# Altium PCB ASCII_LimeSDR-USB_1v4.PcbDoc (part 10 of 10)
Units mm, origin at the board's own origin, x right, y up, seen from the top; angles counter-clockwise.
Board outline 100 x 60 mm, 12 copper layers (Top, L2, L3, L4, L5, L6, L7, L8, L9, L10, L11, Bottom), stack 1.58 mm thick; 858 components, 627 nets, 4063 pads, 2099 vias.
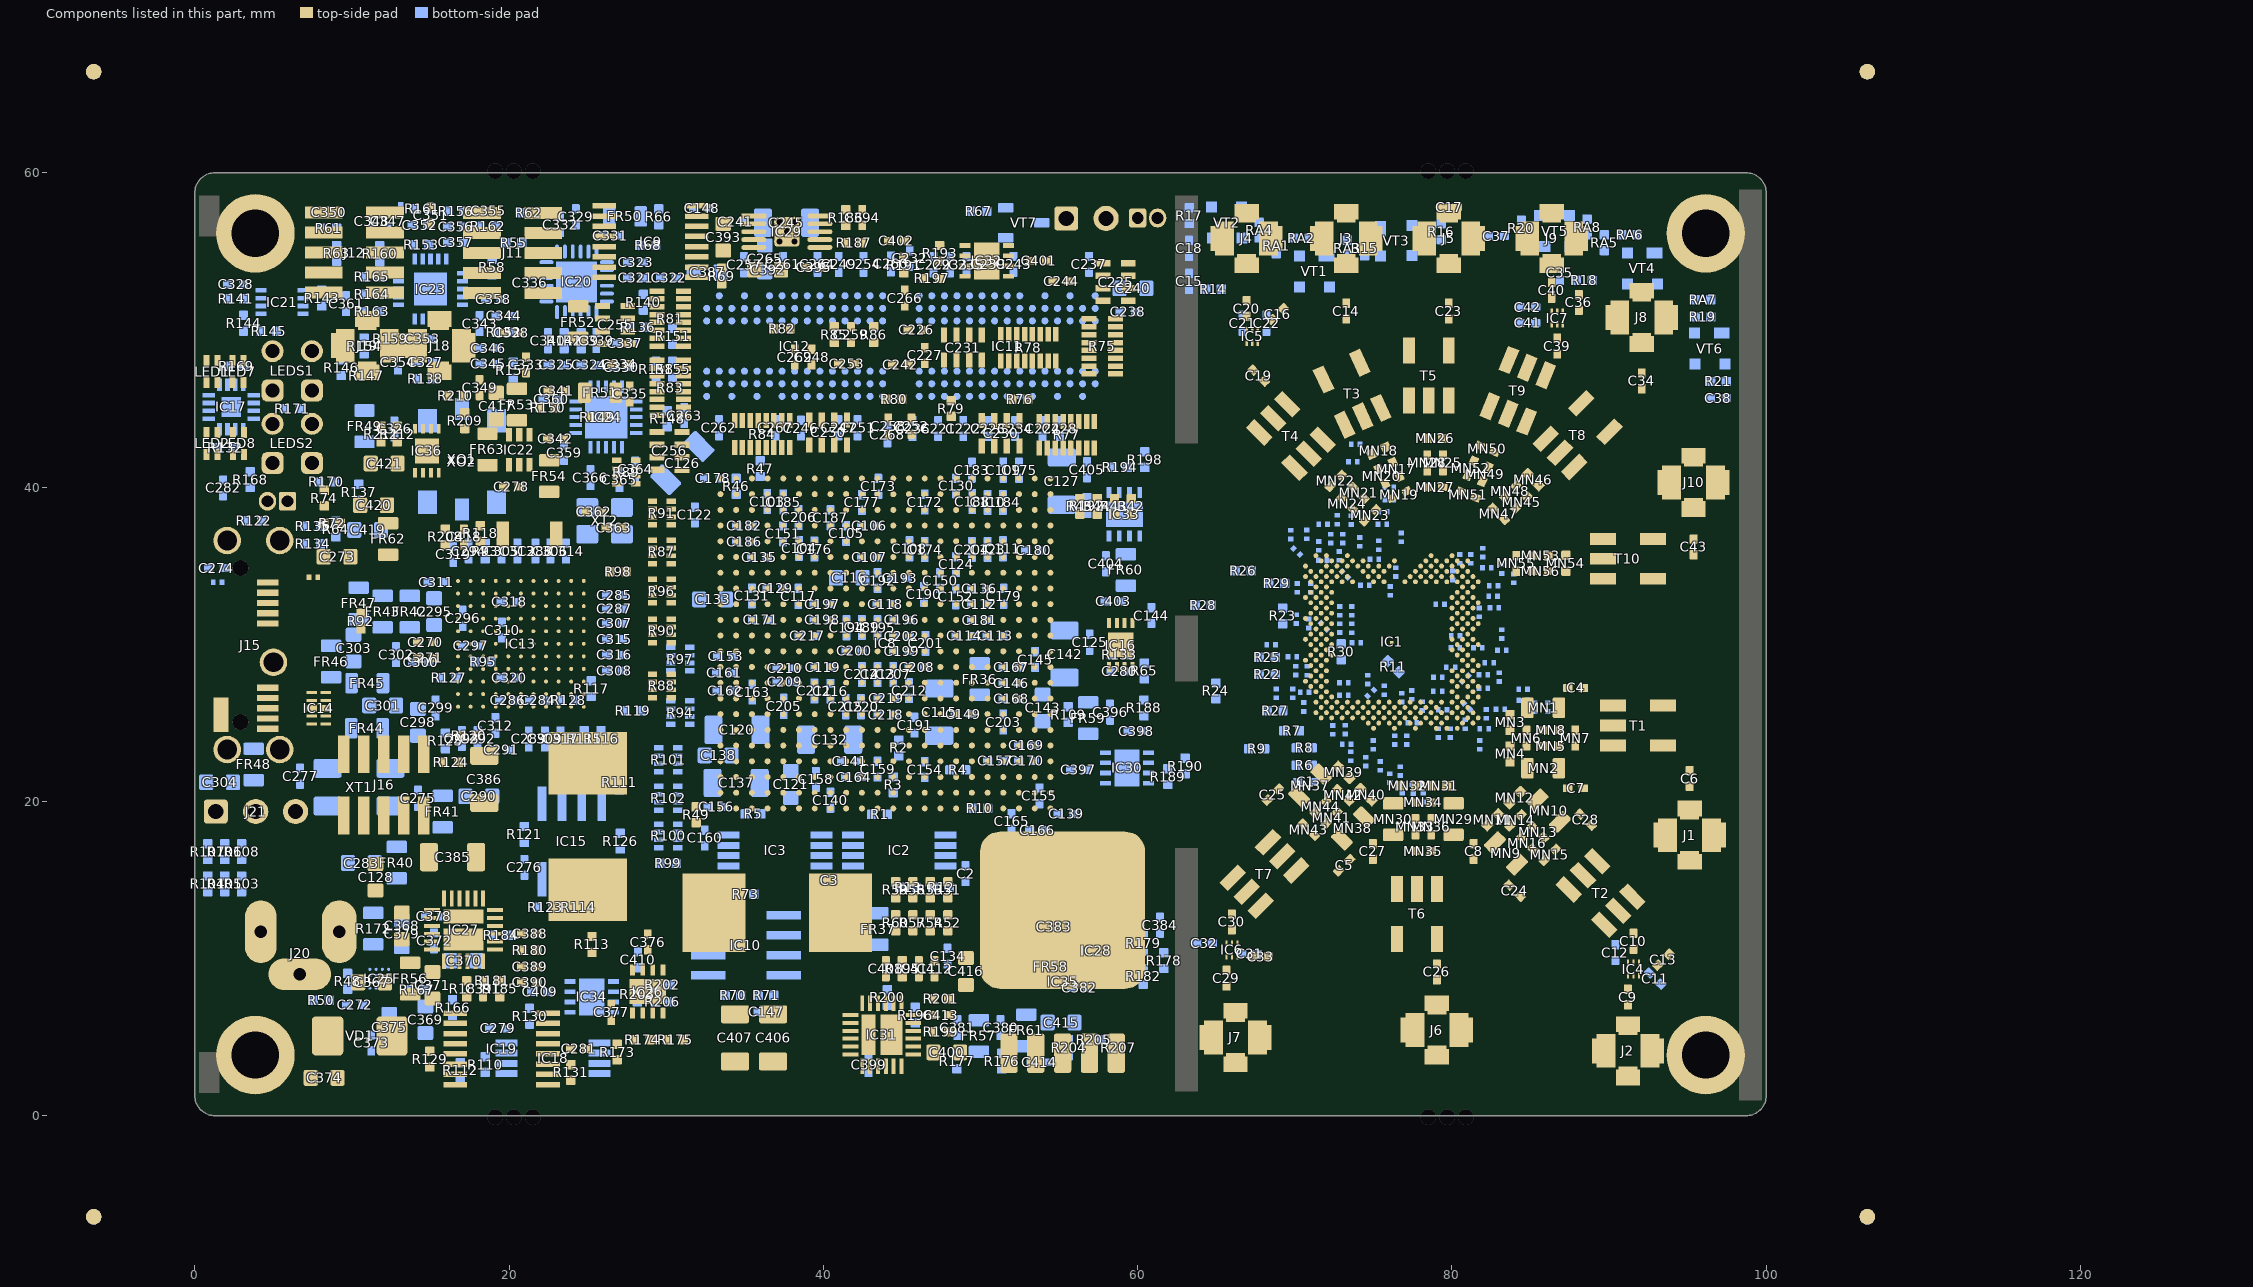
[diagram p18: the components of this part, seen from the top]

## Silkscreen, mask and mechanical layers (free items; w line width, h text height) (continued)
Mechanical1:
  drawing of 2384 lines, arcs and shapes, not listed
  text "LimeSDR-USB v1.4" at 163.068,99.347 h2.6
  text "CONTROLLED IMPEDANCE" at 153.025,94.325 h3
  text "GENERAL PARAMETERS:" at 129.975,88.625 h1.5
  text "Board Cutout" at 41.525,78.4 h1.5
  text "Top layer copper foil thickness: 17.5 um / Dielectric thickness from Top to L2 = 173um (6.8 mils) / Dielectric between Top layer and 2nd layer relative permittivity (Er): 4.2 /  / Bottom layer copper foil thickness: 17.5 um / Dielectric thickness from L11 to Bottom = 173um (6.8 mils) / Dielectric between L11 layer and Bottom layer relative permittivity (Er): 4.2 / Ground plane distance to trace on Bottom layer: 0.1mm" at 134.425,61.9 h1.5
  text "CALCULATIONS:" at 130.1,60.65 h1.5
  text "RF (Top)" at 114.25,43.2 h2
  text "50 Ohm microstrip (Top layer, no GND) characteristics: /  Top layer copper foil thickness: 17.5 um /  Track width = 0.325 mm (12.795 mils) /  Dielectric thickness from Top to L2 = 173um (6.8 mils) /  Dielectric between Top layer and 2nd layer relative permittivity (Er): 4.2 /          /  Approximate microstrip line impedance = 49.99 Ohms (+/- 10% tolerance)" at 133.6,34.5 h1.5
  text "RF (Top)" at 113.25,16.7 h2
  text "Vendor Logo (bottom)" at 52.325,15.325 h0.7
  text "100 Ohm coupled microstrip line (Top layer) characteristics: /  Top layer copper foil thickness: 17.5 um /  Track width = 0.2 mm (6.8 mils) /  Track spacing = 0.14 mm (5.51 mils) /  Track width/spacing ratio = 1.428 /  Dielectric thickness from top to L2 = 173um (6.8 mils) /  Dielectric between Top layer and 2nd layer relative permittivity (Er): 4.2 /          /  Approximate coupled microstrip line impedance = 100.752 Ohms (+/- 10% tolerance)" at 134.25,5.775 h1.5
  text "RoHS and PCB number (bottom)" at 28.475,3.45 h0.7
  text "RF (Bottom)" at 111.325,-7.425 h2
  text "TH via" at 34.75,-12.275 h1.52
  text "GERBER LAYER NAMES:" at -91.65,-13.675 h1.52
  text "STACKUP:" at -38.6,-14 h3
  text "Top-Bot" at 34.2,-15.35 h1.52
  text "GTP" at -90.55,-17.475 h1.52
  text "Top solder paste" at -85.45,-17.575 h1
  text "GTO" at -90.55,-20.475 h1.52
  text "Silkscreen" at -85.55,-20.775 h1
  text "50 Ohm coplanar waveguide with GND (Bottom layer) characteristics: /  Bottom layer copper foil thickness: 17.5 um /  Track width = 0.254 mm (10 mils) /  Distance to GND: 0.1 mm (3.937 mils) /  Dielectric thickness from Bottom to L11 = 173um (6.8 mils) /  Dielectric between Bottom layer and L11 relative permittivity (Er): 4.2 /          /  Approximate microstrip line impedance = 49.99 Ohms (+/- 10% tolerance)" at 134.4,-21.325 h1.5
  text "ELECTRICAL LAYERS:" at 48.75,-21.775 h1.52
  text "GTS" at -90.55,-22.975 h1.52
  text "Soldermask (halogen free)" at -85.55,-24.275 h1
  text "Top: RF/GND" at 49.425,-25.25 h1.52
  text "GTL" at -90.55,-25.475 h1.52
  text "0.5oz+plating" at -85.55,-25.975 h1
  text "6.8mil" at -59.9,-28.15 h1
  text "PP" at -63.25,-28.275 h1
  text "G1" at -90.55,-29.975 h1.52
  text "0.1oz" at -85.55,-30.175 h1
  text "L2: GND" at 49.45,-30.275 h1.52
  text "CORE" at -63.25,-32.775 h1
  text "USB3.0 (Top)" at 110.5,-32.975 h2
  text "G2" at -90.55,-34.475 h1.52
  text "0.1oz" at -85.55,-34.675 h1
  text "L3: PWR/Signal/GND" at 49.45,-34.775 h1.52
  text "PP" at -63.25,-37.275 h1
  text "G3" at -90.55,-38.975 h1.52
  text "0.1oz" at -85.55,-39.175 h1
  text "L4: Signal/PWR/GND" at 49.45,-39.275 h1.52
  text "CORE" at -63.25,-41.775 h1
  text "G4" at -90.55,-43.475 h1.52
  text "0.1oz" at -85.55,-43.675 h1
  text "L5: PWR/GND" at 49.55,-43.775 h1.52
  text "PP" at -63.25,-46.275 h1
  text "90 Ohm coupled microstrip line (Top layer, without GND) characteristics: /  Top layer copper foil thickness: 17.5 um /  Track width = 0.2 mm (6.8 mils) /  Track spacing = 0.1 mm (3.93 mils) /  Track width/spacing ratio = 2 /  Dielectric thickness from Top to 2nd layer = 173um (6.8 mils) /  Dielectric between Top layer and 2nd layer relative permittivity (Er): 4.2 /          /  Approximate coupled microstrip line impedance = 90.5 Ohms (+/- 10% tolerance)" at 133.575,-46.875 h1.5
  text "G5" at -90.55,-47.975 h1.52
  text "L6: Signal/GND" at 49.45,-48.125 h1.52
  text "0.1oz" at -85.55,-48.175 h1
  text "CORE" at -63.25,-50.775 h1
  text "G6" at -90.55,-52.475 h1.52
  text "L7: GND" at 49.55,-52.625 h1.52
  text "0.1oz" at -85.55,-52.675 h1
  text "VERY IMPORTANT NOTES:" at 135.875,-54.75 h3
  text "PP" at -63.25,-55.275 h1
  text "G7" at -90.55,-56.975 h1.52
  text "L8: Signal" at 49.375,-57.1 h1.52
  text "0.1oz" at -85.55,-57.175 h1
  text "CORE" at -63.25,-59.775 h1
  text "G8" at -90.55,-61.475 h1.52
  text "0.1oz" at -85.55,-61.675 h1
  text "L9: Signal" at 49.475,-61.675 h1.52
  text "PP" at -63.25,-64.275 h1
  text "G9" at -90.55,-65.975 h1.52
  text "0.1oz" at -85.55,-66.175 h1
  text "L10: CLK/Signal" at 49.55,-66.325 h1.52
  text "CORE" at -63.25,-68.775 h1
  text "G10" at -90.55,-70.475 h1.52
  text "0.1oz" at -85.55,-70.675 h1
  text "L11: GND" at 49.5,-71 h1.52
  text "6.8mil" at -59.725,-73.225 h1
  text "PP" at -63.25,-73.275 h1
  text "GBL" at -90.55,-74.975 h1.52
  text "Bottom: Signal/PWR/GND" at 49.5,-75 h1.52
  text "0.5oz+plating" at -85.55,-75.475 h1
  text "GBS" at -90.55,-77.475 h1.52
  text "Soldermask (halogen free)" at -85.55,-78.675 h1
  text "ADDITIONAL LAYERS:" at 51.75,-79.275 h1.52
  text "GBO" at -90.55,-79.975 h1.52
  text "Silkscreen" at -85.55,-80.175 h1
  text "GBP" at -90.55,-82.975 h1.52
  text "Bottom solder paste" at -85.55,-83.175 h1
  text "Mechanical 1: Board cutout" at 54.45,-83.475 h1.52
  text "Via type #1" at -8.5,-85.975 h1.52
  text "ASM TOP: Assembly top" at 54.45,-86.475 h1.52
  text "0.2mm drill / 0.4mm ring" at 32.75,-88.275 h1.2
  text "ASM BOT: Assembly bottom" at 54.45,-89.475 h1.52
  text "Total PCB thicknes: 1.6mm +/- 10%" at -66.925,-89.65 h1.52
  text "Mechanical 13: Component 3D body" at 54.45,-92.475 h1.52
  text "0.2mm drill / 0.31mm ring" at 32.75,-94.275 h1.2
  text "Via type #2 (In pad, resin filled with metal cap)" at -9,-94.65 h1.52
  text "1) 0.31mm ring and 0.2mm drill via-in-pads (IC1) must be resin filled with metal cap / 2) Solder mask : DARK BLUE, both sides, halogen free, glossy finish (NOT matte) / 3) Silkscreen : white epoxy ink, halogen free, both sides. No silkscreen on pads. / 4) DRCs must be run on Gerber files before building boards / 5) Hole diameters are final manufactured diameters INCLUDING HOLE METALIZATION. / 6) Minimum track spacing: 0.1 mm /    Minimum track width: 0.1 mm / 7) There are plated and non-plated holes on the PCB / 8) Material: /    IT-180A /    PCB vendor to silkscreen UL and RoHS compliance marks, vendor logo and date code on bottom where shown /    Copper weight:  External layers 0.5 oz+plating /                    Internal layers 1 oz / 9) Electrical test : 100 % netlist. / 10) Boards are to be individually bagged." at 109.2,-98.575 h1.5
ASM BOT:
  drawing of 903 lines, arcs and shapes, not listed
  text "IC20" at 25.275,66.575 h1
  text "IC23" at 16.5,66.1 h1
  text "Assembly bottom" at 55.725,60.8 h1.25
  text "or" at 17.975,43.375 h0.55
  text "C120" at -22.3,1.75 h1
ASM TOP:
  circle w0.4: c7.325,26.925 r0.025
  circle w0.4: c-17.6,53 r0.19
  circle w0.4: c-17.6,54.225 r0.19
  lines w0.1: -18.05,51.5 -17.625,51.925 ; -17.625,48.025 -17.625,51.925 ; -17.2,51.5 -17.625,51.925 ; 8.975,7.25 12.625,7.25 13.7,8.325 13.7,8.725 ; 14.775,45.3 16.275,45.575 ; 17.425,40.825 17.8,42.008 18.7,42.475 ; 18.125,46.325 18.35,47.725 ; 18.85,50.475 18.85,45.475 19.175,45.15 ; 20.15,49.825 21.15,50.6 ; 21.075,47.775 21.7,48.05 ; 22.45,45.05 23.5,44.5 ; 22.95,43.075 24.15,42.725 ; 23,46.125 23.5,46.825 ; 25.625,44.45 26.025,43.975 ; 25.975,48 27.025,47.825 ; 44.3,53.65 44.65,53.65 45.125,54.125 ; 46.9,53.275 47.475,52.575 ; -18.2,52.575 -17.875,52.25 -17.325,52.25 -17,52.575 -17,54.8 -18.2,54.8 -18.2,52.575
  lines w0.15: -11.9,42.4 -0.05,42.4 ; -11.8,43.025 -0.075,47.525 ; -5.95,38.825 3.95,38.825 ; -1.6,40.075 1.125,41.425 ; 1.4,48.65 1.5,50.05 ; 1.55,23.575 -10.1,31.775 1.625,36.275 ; 2.375,40.15 2.775,41.4 ; 2.725,48.7 2.825,49.925 ; 5.05,48.15 6.125,50.05 7.575,48.25 ; 5.775,42.15 8.825,42.55 7.375,42.725 ; 14.275,1.775 14.95,3.6 ; 15.125,8.3 15.125,9.925 ; 17.8,35.475 18.175,37.05 ; 40.675,58.35 41.425,57.15 ; 41.925,55.55 42.25,55.025 ; 42.275,58.5 42.475,57.15 ; 43.125,50.875 43.2,49.7 ; 43.35,45.725 44.5,45.6 ; 43.85,8.125 43.225,8.125 43.225,16 43.775,16 49.175,16 49.175,11.075 48.125,11.075 48.125,8.2 47.8,8.2 ; 44.575,51.9 45.175,52.025 ; 45.9,50 46.525,50.625 ; 46.125,16 46.125,18.675 ; 46.45,48.375 46.7,47.2 ; 49.2,9.35 50.3,9.35 ; 89.025,27.9 93.775,29.6 ; 43.375,18.675 48.8,18.675 48.8,26.625 44.95,26.625 43.375,26.625 43.375,18.675
  lines w0.3: 1.275,60 ccw(c1.275,58.73) 0.005,58.73 0.005,1.27 ccw(c1.275,1.27) 1.275,0 98.735,0 ccw(c98.735,1.27) 100.005,1.27 100.005,58.73 ccw(c98.735,58.73) 98.735,60
  lines w0.309: 1.275,60 98.735,60
  text "Assembly top" at 41.175,61.1 h1.25
  text "ASSEMBLY NOTE: / Orientation for throughole LEDs (LED1, LED2, LED7, LED8). / More info in part datasheet" at -24.25,55.2 h0.55
  text "Green Anode" at -24.55,53.95 h0.55
  text "Green Cathode" at -25.925,52.725 h0.55
  text "ASSEMBLY NOTE: / LEDS1 and LEDS2 - for both parts mount throughole LEDs (LED1, LED2, LED7, LED8) in plastic LED holder (LEDS1 and LEDS2). Two LEDs in one holder" at -25.875,40.525 h0.55
  text "ASSEMBLY NOTE: / J17 jumper must be shorted out" at -14.2,36.8 h0.55
  text "ASSEMBLY NOTE: / J15 mechanical mechanical holes must be soldered for mechanical durability." at -25.5,30.675 h0.55
DrillDrawing:
  circle w0.2: c-85.865,105.531 r0.556
  circle w0.2: c-85.865,93.031 r0.333
  circle w0.2: c-85.865,93.031 r0.556
  lines w0.2: -86.42,91.086 -85.309,91.086 -85.865,89.975 -86.42,91.086 ; -86.42,94.975 -85.865,95.253 -85.309,94.975 -85.587,95.531 -85.309,96.086 -85.865,95.808 -86.42,96.086 -86.143,95.531 -86.42,94.975 ; -86.42,97.475 -85.865,97.753 -85.309,97.475 -85.587,98.031 -85.309,98.586 -85.865,98.308 -86.42,98.586 -86.143,98.031 -86.42,97.475 ; -86.42,100.531 -85.865,99.975 -85.309,100.531 -85.865,101.086 -86.42,100.531 ; -86.42,102.475 -85.309,102.475 -85.309,103.586 -86.42,103.586 -86.42,102.475 ; -86.42,107.753 -86.143,107.753 -85.865,107.475 -85.587,107.753 -85.309,107.753 -85.587,108.031 -85.309,108.308 -85.587,108.308 -85.865,108.586 -86.143,108.308 -86.42,108.308 -86.143,108.031 -86.42,107.753 ; -86.198,95.197 -85.865,95.364 -85.531,95.197 -85.698,95.531 -85.531,95.864 -85.865,95.697 -86.198,95.864 -86.031,95.531 -86.198,95.197 ; -86.198,107.864 -86.031,107.864 -85.865,107.697 -85.698,107.864 -85.531,107.864 -85.698,108.031 -85.531,108.197 -85.698,108.197 -85.865,108.364 -86.031,108.197 -86.198,108.197 -86.031,108.031 -86.198,107.864
  lines w0.381: -87.427,86.725 127.253,86.725 ; -87.427,109.225 127.253,109.225 ; -78.139,84.225 -78.139,111.725 ; -67.242,84.225 -67.242,111.725 ; -48.181,84.225 -48.181,111.725 ; -39.643,84.225 -39.643,111.725 ; -27.307,84.225 -27.307,111.725 ; -7.372,84.225 -7.372,111.725 ; 2.565,84.225 2.565,111.725 ; 15.102,84.225 15.102,111.725 ; 26.039,84.225 26.039,111.725 ; 40.375,84.225 40.375,111.725 ; 62.708,84.225 62.708,111.725 ; 85.042,84.225 85.042,111.725 ; 103.77,84.225 103.77,111.725 ; -87.427,84.225 127.253,84.225 127.253,111.725 -87.427,111.725 -87.427,84.225
  text "Symbol" at -85.927,109.975 h1.2
  text "Count" at -77.389,109.975 h1.2
  text "Hole Size" at -66.492,109.975 h1.2
  text "Plated" at -47.431,109.975 h1.2
  text "Hole Type" at -38.893,109.975 h1.2
  text "Drill Layer Pair" at -26.557,109.975 h1.2
  text "Via/Pad" at -6.622,109.975 h1.2
  text "Pad Shape" at 3.315,109.975 h1.2
  text "Template" at 15.852,109.975 h1.2
  text "Description" at 26.789,109.975 h1.2
  text "Hole Tolerance (+)" at 41.125,109.975 h1.2
  text "Hole Tolerance (-)" at 63.458,109.975 h1.2
  text "Hole Length" at 85.792,109.975 h1.2
  text "Routed Path Length" at 104.52,109.975 h1.2
  text "3" at -77.389,107.475 h1
  text "0,800mm (31,50mil)" at -66.492,107.475 h1
  text "PTH" at -47.431,107.475 h1
  text "Slot" at -38.893,107.475 h1
  text "Top - Bottom" at -26.557,107.475 h1
  text "Pad" at -6.622,107.475 h1
  text "Rounded" at 3.315,107.475 h1
  text "(Mixed)" at 15.852,107.475 h1
  text "2,000mm (78,74mil)" at 85.792,107.475 h1
  text "1,200mm (47,24mil)" at 104.52,107.475 h1
  text "4" at -77.389,104.975 h1
  text "0,750mm (29,53mil)" at -66.492,104.975 h1
  text "PTH" at -47.431,104.975 h1
  text "Round" at -38.893,104.975 h1
  text "Top - Bottom" at -26.557,104.975 h1
  text "Pad" at -6.622,104.975 h1
  text "(Mixed)" at 3.315,104.975 h1
  text "(Mixed)" at 15.852,104.975 h1
  text "-" at 85.792,104.975 h1
  text "-" at 104.52,104.975 h1
  text "4" at -77.389,102.475 h1
  text "3,000mm (118,11mil)" at -66.492,102.475 h1
  text "PTH" at -47.431,102.475 h1
  text "Round" at -38.893,102.475 h1
  text "Top - Bottom" at -26.557,102.475 h1
  text "Pad" at -6.622,102.475 h1
  text "Rounded" at 3.315,102.475 h1
  text "c500h300" at 15.852,102.475 h1
  text "-" at 85.792,102.475 h1
  text "-" at 104.52,102.475 h1
  text "5" at -77.389,99.975 h1
  text "0,381mm (15,00mil)" at -66.492,99.975 h1
  text "PTH" at -47.431,99.975 h1
  text "Round" at -38.893,99.975 h1
  text "Top - Bottom" at -26.557,99.975 h1
  text "Pad" at -6.622,99.975 h1
  text "Rounded" at 3.315,99.975 h1
  text "c66h38mx0" at 15.852,99.975 h1
  text "-" at 85.792,99.975 h1
  text "-" at 104.52,99.975 h1
  text "5" at -77.389,97.475 h1
  text "0,965mm (38,00mil)" at -66.492,97.475 h1
  text "PTH" at -47.431,97.475 h1
  text "Round" at -38.893,97.475 h1
  text "Top - Bottom" at -26.557,97.475 h1
  text "Pad" at -6.622,97.475 h1
  text "(Mixed)" at 3.315,97.475 h1
  text "(Mixed)" at 15.852,97.475 h1
  text "-" at 85.792,97.475 h1
  text "-" at 104.52,97.475 h1
  text "5" at -77.389,94.975 h1
  text "1,250mm (49,21mil)" at -66.492,94.975 h1
  text "PTH" at -47.431,94.975 h1
  text "Round" at -38.893,94.975 h1
  text "Top - Bottom" at -26.557,94.975 h1
  text "Pad" at -6.622,94.975 h1
  text "Rounded" at 3.315,94.975 h1
  text "c175h125" at 15.852,94.975 h1
  text "-" at 85.792,94.975 h1
  text "-" at 104.52,94.975 h1
  text "8" at -77.389,92.475 h1
  text "0,900mm (35,43mil)" at -66.492,92.475 h1
  text "PTH" at -47.431,92.475 h1
  text "Round" at -38.893,92.475 h1
  text "Top - Bottom" at -26.557,92.475 h1
  text "Pad" at -6.622,92.475 h1
  text "(Mixed)" at 3.315,92.475 h1
  text "(Mixed)" at 15.852,92.475 h1
  text "-" at 85.792,92.475 h1
  text "-" at 104.52,92.475 h1
  text "14" at -77.389,89.975 h1
  text "1,000mm (39,37mil)" at -66.492,89.975 h1
  text "NPTH" at -47.431,89.975 h1
  text "Round" at -38.893,89.975 h1
  text "Top - Bottom" at -26.557,89.975 h1
  text "Pad" at -6.622,89.975 h1
  text "Rounded" at 3.315,89.975 h1
  text "(Mixed)" at 15.852,89.975 h1
  text "-" at 85.792,89.975 h1
  text "-" at 104.52,89.975 h1
  text "2099" at -77.389,87.475 h1
  text "0,200mm (7,87mil)" at -66.492,87.475 h1
  text "PTH" at -47.431,87.475 h1
  text "Round" at -38.893,87.475 h1
  text "Top - Bottom" at -26.557,87.475 h1
  text "Via" at -6.622,87.475 h1
  text "Rounded" at 3.315,87.475 h1
  text "(Mixed)" at 15.852,87.475 h1
  text "-" at 85.792,87.475 h1
  text "-" at 104.52,87.475 h1
  text "A" at -86.435,87.275 h1.11
  text "2147 Total" at -77.389,84.975 h1
  text "Slot definitions :" at -85.927,82.492 h1
  text "Routed Path Length" at -68.622,82.492 h1
  text "= Calculated from tool start centre position to tool end centre position." at -50.151,82.492 h1
  text "Hole Length" at -68.622,80.759 h1
  text "= Routed Path Length + Tool Size = Slot length as defined in the PCB layout" at -56.982,80.759 h1

## Text inside footprints (layer, text, board x,y; h text height)
J1: ASM TOP "in" at 94.425,19.15 h0.55
J2: ASM TOP "in" at 90.5,5.425 h0.55
J3: ASM TOP "in" at 72.7,54 h0.55
J4: ASM TOP "in" at 66.175,54.225 h0.55
J5: ASM TOP "in" at 79.1,53.975 h0.55
J6: ASM TOP "in" at 78.34,6.75 h0.55
J7: ASM TOP "in" at 65.525,6.275 h0.55
J8: ASM TOP "in" at 91.675,49.025 h0.55
J9: ASM TOP "in" at 85.55,53.8 h0.55
J10: ASM TOP "in" at 94.95,38.775 h0.55
J11: TopOverlay "10" at 23.975,53.3 h0.6; TopOverlay "2" at 24.025,57.575 h0.6; TopOverlay "9" at 16.075,52.2 h0.6; TopOverlay "1" at 16.1,57.5 h0.6
J12: TopOverlay "10" at 13.85,51.675 h0.6; TopOverlay "2" at 13.825,57.5 h0.6; TopOverlay "9" at 7.025,50.8 h0.6; TopOverlay "1" at 6.15,57.525 h0.6
J16: TopOverlay "10" at 14.95,24.975 h0.65 r90; TopOverlay "2" at 9.85,24.975 h0.65 r90; TopOverlay "9" at 16.325,18.15 h0.65 r90; TopOverlay "1" at 9.75,17 h0.65 r90
J18: ASM TOP "in" at 14.8,47.175 h0.55
J19: ASM TOP "in" at 10.325,47.075 h0.55
L1: ASM TOP "no polarity" at 22.35,14.175 h0.55
L2: ASM TOP "no polarity" at 34.575,14.5 h0.55
LED1: ASM TOP "C" at 0.825,46.675 h0.55 r270; ASM TOP "A" at 0.825,48.475 h0.55 r270
LED2: ASM TOP "C" at 0.825,42.1 h0.55 r270; ASM TOP "A" at 0.825,43.9 h0.55 r270
LED7: ASM TOP "A" at 2.475,48.475 h0.55 r270; ASM TOP "C" at 2.475,46.675 h0.55 r270
LED8: ASM TOP "A" at 2.5,43.9 h0.55 r270; ASM TOP "C" at 2.5,42.1 h0.55 r270
LEDS1: ASM TOP "PCB edge" at -0.375,45.575 h0.5 r90; ASM TOP "C" at 5.3,45.9 h0.55 r90; ASM TOP "A" at 5.2,48.4 h0.55 r90; ASM TOP "C" at 7.8,46 h0.55 r90; ASM TOP "A" at 7.7,48.4 h0.55 r90
LEDS2: ASM TOP "A" at 7.7,43.775 h0.55 r90; ASM TOP "C" at 7.8,41.375 h0.55 r90; ASM TOP "A" at 5.2,43.775 h0.55 r90; ASM TOP "C" at 5.3,41.275 h0.55 r90; ASM TOP "PCB edge" at -0.35,40.875 h0.5 r90
VD1: ASM TOP "A" at 12.2,4.575 h0.55; ASM TOP "C" at 8.3,4.575 h0.55